# Altium PCB Iris.PcbDoc (part 10 of 13) (continued)
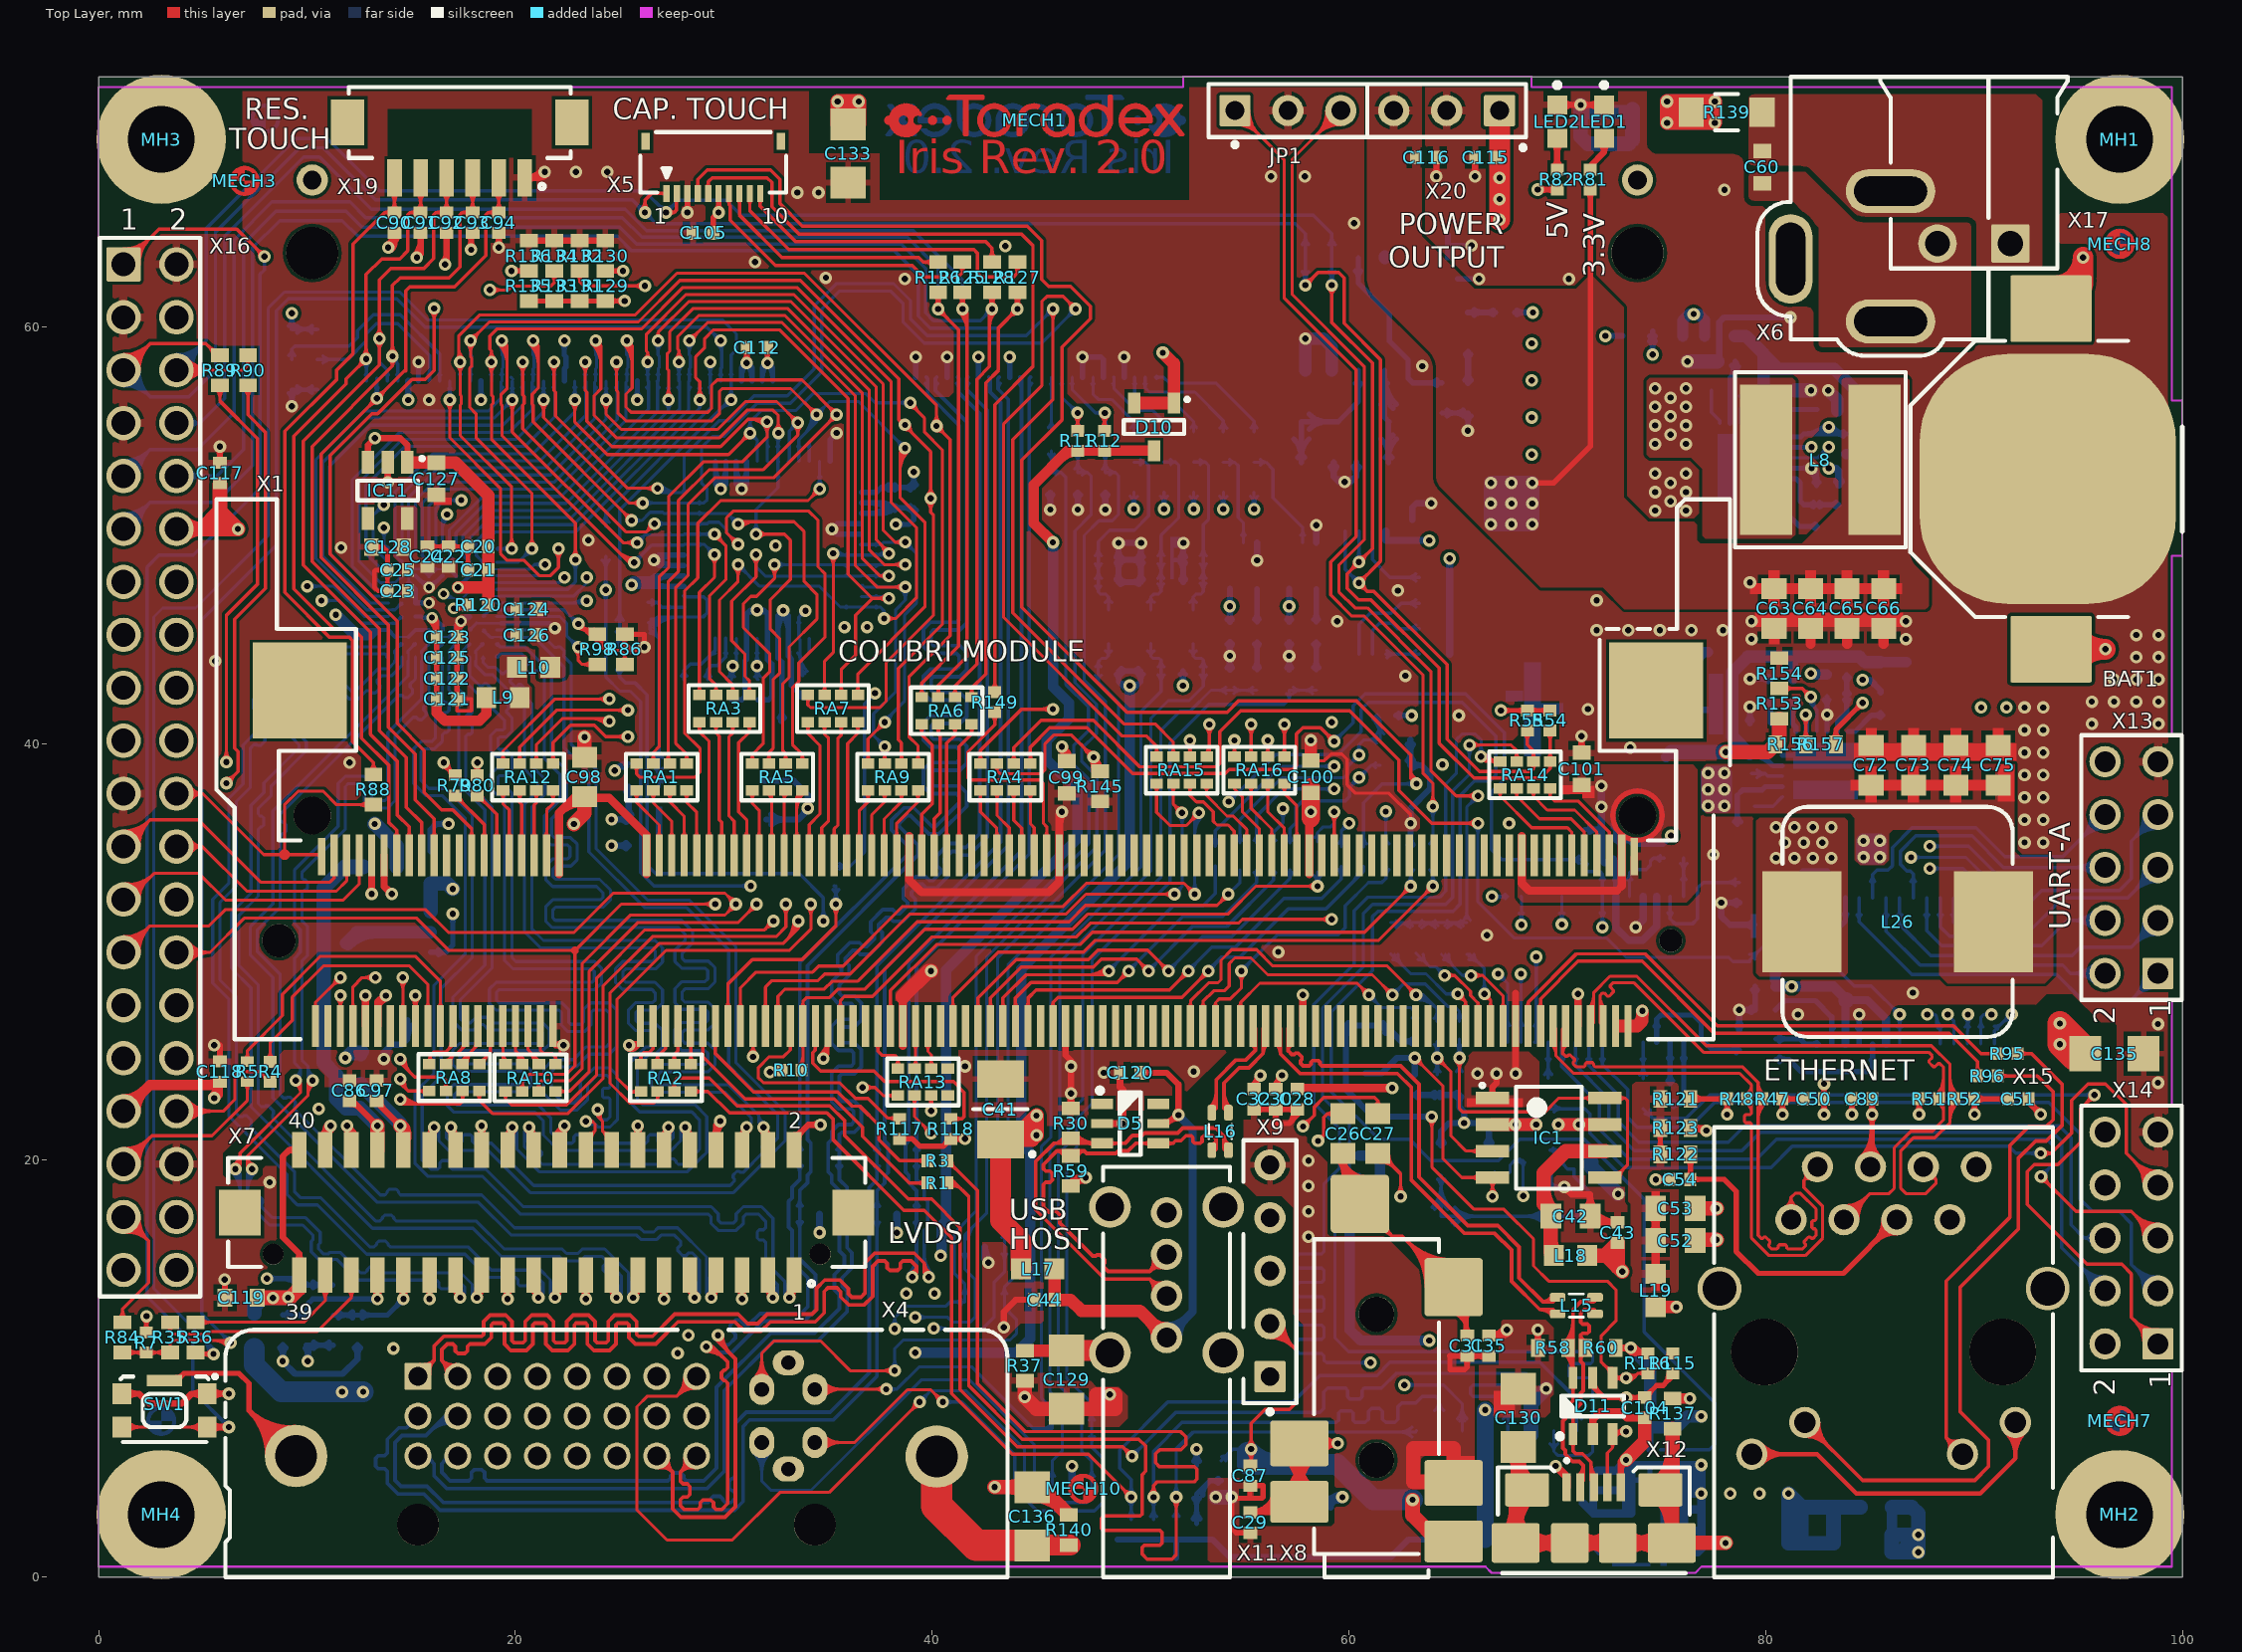
[diagram p0: Top Layer view]
## Nets (pads, with @x,y where several pads share a name; then routed paths per layer and width w, separated by ;. In a path a pad name is that pad's centre, name@x,y a point inside that pad or via, vN(x,y) a via of type N, cw(c..) or ccw(c..) an arc to the next point about the centre after c; other vN are vias at no path point) (continued)
  MidLayer2 w0.152: 10.109,25.121 10.109,32.563 12.114,34.568 26.541,34.568 27.685,35.712 38.558,35.712 40.62,33.649 47.097,33.649 48.539,32.207 57.795,32.207 60.36,29.642 65.862,29.642 66.497,29.007 66.497,28.804 67.367,27.934 70.022,27.934 70.815,28.727 79.908,28.727 84.531,33.35 86.004,33.35 86.258,33.604 86.258,34.874 86.459,35.075 v1(87.882,35.075) ; v1@87.723,34.917 ccw(c87.341,34.535) 87.341,35.075 ccw(c87.341,35.615) v1@87.723,35.233
  MidLayer2 w0.165: 10.109,25.121 12.3,22.93 v1(14.478,22.93) ; v1@14.324,22.776 ccw(c13.953,22.405) 13.953,22.93 ccw(c13.953,23.455) v1@14.324,23.084
  Bottom Layer w0.152: v1(87.882,35.075) 89.741,35.075 90.985,33.831 IC4.14@90.985,32.59 ; v1@88.04,34.917 cw(c88.422,34.535) 88.422,35.075 cw(c88.422,35.615) v1@88.04,35.233 ; IC4.14@90.88,33.395 ccw(c90.626,33.649) 90.985,33.649 ccw(c91.344,33.649) IC4.14@91.09,33.395
UART_A_RTS_S: RA8.2 X1.27 | length 3.7
  Top Layer w0.152: RA8.2@17.463,24.627 17.463,24.803 18.2,25.541 X1.27@18.2,26.446 ; RA8.2@17.534,24.627 cw(c18.132,24.627) 17.709,25.05 ; RA8.2@17.686,24.627 cw(c18.653,24.627) 17.969,25.31 ; 17.974,25.315 ccw(c17.669,25.621) X1.27@18.101,25.621
UART_A_RXD: IC4.16 RA10.7 X16.28 | length 117.9
  Top Layer w0.152: X16.28@3.731,29.98 5.342,29.98 ; X16.28@4.07,29.694 cw(c4.686,29.174) 4.686,29.98 cw(c4.686,30.785) X16.28@4.07,30.266 ; X16.28@4.187,29.596 cw(c5.014,28.898) 5.014,29.98 cw(c5.014,31.062) X16.28@4.187,30.364 ; X16.28@4.303,29.497 cw(c5.342,28.621) 5.342,29.98 ; X16.28@4.303,30.463 ccw(c5.342,31.338) 5.342,29.98 ; RA10.7@20.203,23.435 ccw(c19.906,23.732) 20.326,23.732 ccw(c20.745,23.732) RA10.7@20.448,23.435 ; RA10.7@20.326,23.313 20.326,23.805 20.65,24.13 22.454,24.13 22.86,24.536 22.86,30.073 ; v1@29.426,32.14 ccw(c29.044,31.758) 29.044,32.298 ccw(c29.044,32.838) v1@29.426,32.456 ; v1(29.584,32.298) 25.084,32.298 22.86,30.073 ; 5.342,29.98 6.985,31.623 15.258,31.623 16.808,30.073 22.86,30.073
  Top Layer w0.254: 22.916,30.073 ccw(c22.86,30.073) 22.916,30.073
  MidLayer2 w0.152: v1@29.426,32.42 ccw(c29.044,32.802) 29.584,32.802 ccw(c30.124,32.802) v1@29.742,32.42 ; v1@29.584,32.261 29.584,33.561 30.654,34.631 37.454,34.631 39.948,32.137 46.115,32.137 47.016,31.236 57.156,31.236 60.325,28.067 60.325,27.789 61.673,26.441 82.271,26.441 84.887,29.058 89.433,29.058 90.843,27.648 v1(90.843,26.999) ; v1@90.685,27.157 ccw(c90.303,27.539) 90.843,27.539 ccw(c91.383,27.539) v1@91.001,27.157
  Bottom Layer w0.152: IC4.16@90.23,26.395 ccw(c89.976,26.649) 90.335,26.649 ccw(c90.694,26.649) IC4.16@90.44,26.395 ; IC4.16@90.335,25.59 90.335,26.86 90.474,26.999 ; v1@90.645,26.896 ccw(c90.474,26.806) 90.474,26.999 ; v1@90.645,27.103 cw(c90.474,27.192) 90.474,26.999 ; v1(90.843,26.999) 90.474,26.999
UART_A_RXD_S: RA10.3 X1.33 | length 4.3
  Top Layer w0.152: X1.33@19.93,25.551 cw(c19.761,25.382) 20,25.382 cw(c20.239,25.382) X1.33@20.07,25.551 ; X1.33@20,26.446 20,25.263 ; RA10.3@20.115,24.68 ccw(c19.622,24.885) 20,25.263 ; 20.161,25.102 cw(c19.849,24.791) RA10.3@20.256,24.621 ; RA10.3@20.229,24.757 ccw(c20.109,24.937) 20.326,24.937 ; 20.322,24.941 cw(c20.076,24.696) RA10.3@20.396,24.562 ; RA10.3@20.326,24.613 20.326,24.937 ; RA10.3@20.422,24.757 cw(c20.542,24.937) 20.326,24.937 ; 20,25.263 20.326,24.937
UART_A_TXD: IC4.13 RA10.6 X16.27 | length 145.5
  Top Layer w0.152: X16.27@1.191,29.98 2.463,31.252 ; X16.27@1.193,30.424 ccw(c1.196,31.483) 1.945,30.734 ccw(c2.694,29.985) X16.27@1.635,29.982 ; X16.27@1.193,30.576 ccw(c1.198,31.999) 2.204,30.993 ccw(c3.21,29.987) X16.27@1.787,29.982 ; X16.27@1.194,30.729 ccw(c1.2,32.515) 2.463,31.252 ; X16.27@1.94,29.983 cw(c3.726,29.989) 2.463,31.252 ; RA10.6@21.012,23.444 ccw(c20.801,23.691) 21.126,23.691 ; RA10.6@21.126,23.313 21.126,23.691 ; RA10.6@21.239,23.444 cw(c21.451,23.691) 21.126,23.691 ; v1@30.581,32.074 ccw(c30.581,31.534) 30.199,31.916 ccw(c29.817,32.298) 30.357,32.298 ccw(c29.817,32.298) 30.199,32.68 ccw(c30.581,33.062) v1@30.581,32.522 ; 2.463,31.252 5.293,31.252 6.071,32.029 15.697,32.029 16.789,30.937 22.809,30.937 24.696,32.824 30.055,32.824 v1(30.581,32.298) 30.055,31.772 29.366,31.772 29.362,31.775 25.527,31.775 23.2,29.449 23.2,24.395 22.631,23.825 21.26,23.825 21.126,23.691
  MidLayer2 w0.152: v1@30.423,32.42 ccw(c30.041,32.802) 30.581,32.802 ccw(c31.121,32.802) v1@30.739,32.42 ; v1@30.581,32.261 30.581,33.502 31.35,34.271 37.078,34.271 39.716,31.633 45.89,31.633 46.611,30.912 57.021,30.912 59.849,28.085 59.849,27.592 61.482,25.959 82.55,25.959 85.192,28.6 89.129,28.6 90.272,27.457 90.272,26.67 90.551,26.391 92.075,26.391 92.38,26.695 92.38,27.661 88.57,31.471 88.57,34.112 88.14,34.542 v1(86.982,34.542) ; v1@87.14,34.383 cw(c87.522,34.001) 87.522,34.542 cw(c87.522,35.082) v1@87.14,34.7
  Bottom Layer w0.152: v1(86.982,34.542) 89.614,34.542 90.335,33.82 IC4.13@90.335,32.59 ; v1@87.14,34.383 cw(c87.522,34.001) 87.522,34.542 cw(c87.522,35.082) v1@87.14,34.7 ; IC4.13@90.23,33.395 ccw(c89.976,33.649) 90.335,33.649 ccw(c90.694,33.649) IC4.13@90.44,33.395
UART_A_TXD_S: RA10.2 X1.35 | length 3.7
  Top Layer w0.152: X1.35@20.53,25.551 cw(c20.361,25.382) 20.6,25.382 cw(c20.839,25.382) X1.35@20.67,25.551 ; X1.35@20.6,26.446 20.6,25.323 21.126,24.798 RA10.2@21.126,24.613 ; 20.613,25.31 cw(c19.915,24.613) RA10.2@20.902,24.613 ; 20.873,25.05 cw(c20.435,24.613) RA10.2@21.054,24.613
UART_B_CTS: IC6.15 RA12.5 X16.29 | length 99.5
  Top Layer w0.152: RA12.5@19.283,39.169 ccw(c18.987,39.466) 19.406,39.466 ccw(c19.826,39.466) RA12.5@19.529,39.169 ; RA12.5@19.406,39.046 19.406,39.65 21.895,42.139 v1(24.511,42.139) ; v1@24.353,41.98 ccw(c23.971,41.598) 23.971,42.139 ccw(c23.971,42.679) v1@24.353,42.297
  MidLayer1 w0.152: v1@66.853,32.648 66.86,32.655 v1(66.86,32.657)
  MidLayer2 w0.152: X16.29@1.191,27.44 2.461,28.71 ; X16.29@1.193,27.884 ccw(c1.198,28.939) 1.944,28.193 ccw(c2.69,27.447) X16.29@1.635,27.442 ; X16.29@1.194,28.036 ccw(c1.2,29.454) 2.202,28.451 ccw(c3.205,27.449) X16.29@1.787,27.443 ; X16.29@1.194,28.189 ccw(c1.203,29.968) 2.461,28.71 ; X16.29@1.94,27.443 cw(c3.719,27.452) 2.461,28.71 ; v1@24.353,41.98 ccw(c23.971,41.598) 23.971,42.139 ccw(c23.971,42.679) v1@24.353,42.297 ; v1@24.669,41.98 cw(c25.051,41.598) 25.051,42.139 cw(c25.051,42.679) v1@24.669,42.297 ; v1@66.636,32.657 ccw(c66.096,32.657) 66.478,33.039 ccw(c66.86,33.421) v1@66.86,32.881 ; v1(66.86,32.657) 63.906,35.611 50.622,35.611 48.498,37.735 41.843,37.735 41.346,38.232 36.491,38.232 35.154,39.57 28.375,39.57 25.806,42.139 11.455,42.139 5.105,35.789 5.105,28.931 4.885,28.71 2.461,28.71
  Bottom Layer w0.152: v1(66.86,32.657) 66.952,32.657 66.961,32.648 66.961,32.644 66.965,32.64 67.59,32.64 IC6.15@67.62,32.67 IC6.15@67.589,32.701 ; v1@67.018,32.499 cw(c67.359,32.158) 67.359,32.64 ; v1@67.018,32.815 ccw(c67.441,33.238) IC6.15@67.441,32.64 ; 67.188,32.64 ccw(c67.188,33.102) IC6.15@67.515,32.775 ; 67.333,32.64 cw(c67.333,32.383) IC6.15@67.515,32.565
UART_B_CTS_S: RA12.1 X1.32 | length 4.3
  Top Layer w0.152: RA12.1@19.283,37.623 cw(c18.987,37.326) 19.406,37.326 cw(c19.826,37.326) RA12.1@19.529,37.623 ; RA12.1@19.406,37.746 19.406,37.109 19.7,36.815 X1.32@19.7,34.646 ; X1.32@19.63,35.592 ccw(c19.461,35.76) 19.7,35.76 ccw(c19.939,35.76) X1.32@19.77,35.592
UART_B_RTS: IC6.14 RA12.6 X16.30 | length 107.5
  Top Layer w0.152: RA12.6@20.083,39.169 ccw(c19.787,39.466) 20.206,39.466 ccw(c20.626,39.466) RA12.6@20.329,39.169 ; RA12.6@20.206,39.046 20.206,39.84 21.971,41.605 v1(25.4,41.605) ; RA12.6@20.206,39.148 RA12.6@20.27,39.212 ; v1@25.242,41.447 ccw(c24.86,41.065) 24.86,41.605 ccw(c24.86,42.145) v1@25.242,41.763
  MidLayer2 w0.152: X16.30@3.731,27.44 4.859,27.44 ; X16.30@4.281,27.208 cw(c4.63,27.061) 4.63,27.44 cw(c4.63,27.819) X16.30@4.281,27.672 ; X16.30@4.421,27.149 cw(c4.859,26.964) 4.859,27.44 ; X16.30@4.421,27.731 ccw(c4.859,27.916) 4.859,27.44 ; v1@25.242,41.447 ccw(c24.86,41.065) 24.86,41.605 ccw(c24.86,42.145) v1@25.242,41.763 ; v1@25.4,41.381 cw(c25.4,40.534) 25.999,41.133 ; v1@25.4,41.534 cw(c25.4,41.055) 25.739,41.394 ; v1@25.624,41.605 ccw(c25.858,41.605) 25.692,41.44 ; v1@67.163,28.728 cw(c67.163,28.188) 67.545,28.57 cw(c67.927,28.952) v1@67.387,28.952 ; v1(67.163,28.952) 67.695,28.419 69.694,28.419 71.456,30.181 71.456,31.947 70.866,32.537 68.428,32.537 67.996,32.106 66.599,32.106 63.47,35.234 50.237,35.234 48.211,37.26 41.429,37.26 40.817,37.872 36.277,37.872 34.995,39.154 27.978,39.154 25.527,41.605 v1(25.4,41.605) 11.497,41.605 5.512,35.62 5.512,28.092 4.859,27.44
  Bottom Layer w0.152: v1@67.163,28.728 cw(c67.163,28.188) 67.545,28.57 cw(c67.927,28.952) v1@67.387,28.952 ; v1(67.163,28.952) 67.62,28.495 IC6.14@67.62,25.67 ; IC6.14@67.515,26.475 ccw(c67.261,26.729) 67.62,26.729 ccw(c67.979,26.729) IC6.14@67.725,26.475
UART_B_RTS_S: RA12.2 X1.34 | length 4.2
  Top Layer w0.152: RA12.2@20.083,37.623 cw(c19.787,37.326) 20.206,37.326 cw(c20.626,37.326) RA12.2@20.329,37.623 ; RA12.2@20.206,37.746 20.206,37.172 20.3,37.079 X1.34@20.3,34.646 ; X1.34@20.23,35.592 ccw(c20.061,35.76) 20.3,35.76 ccw(c20.539,35.76) X1.34@20.37,35.592
UART_B_RXD: IC6.16 RA12.7 X16.31 | length 103.8
  Top Layer w0.152: RA12.7@20.883,39.169 ccw(c20.587,39.466) 21.006,39.466 ccw(c21.426,39.466) RA12.7@21.129,39.169 ; RA12.7@20.962,39.192 RA12.7@21.006,39.148 ; RA12.7@21.006,39.046 21.006,39.955 22.254,41.202 24.384,41.202 v1(24.511,41.075) ; 23.664,41.202 cw(c23.664,40.228) v1@24.353,40.917 ; 24.032,41.202 cw(c24.032,40.596) v1@24.461,41.024
  MidLayer2 w0.152: X16.31@1.191,24.9 2.461,26.17 ; X16.31@1.193,25.344 ccw(c1.198,26.399) 1.944,25.653 ccw(c2.69,24.907) X16.31@1.635,24.902 ; X16.31@1.194,25.496 ccw(c1.2,26.914) 2.202,25.911 ccw(c3.205,24.909) X16.31@1.787,24.903 ; X16.31@1.194,25.649 ccw(c1.203,27.428) 2.461,26.17 ; X16.31@1.94,24.903 cw(c3.719,24.912) 2.461,26.17 ; v1@68.126,31.152 ccw(c67.744,30.77) 67.744,31.31 ccw(c67.744,31.85) v1@68.126,31.468 ; v1(68.284,31.31) 67.699,31.31 67.285,31.725 66.269,31.725 63.136,34.857 49.75,34.857 48.438,36.17 41.758,36.17 40.415,37.512 35.919,37.512 34.693,38.738 27.759,38.738 25.422,41.075 v1(24.511,41.075) 11.541,41.075 5.918,35.452 5.918,27.203 4.885,26.17 2.461,26.17 ; 23.971,41.075 cw(c23.971,40.535) 24.353,40.917 ccw(c23.971,40.535) 23.971,41.075 ; 23.971,41.075 ccw(c23.971,41.615) 24.353,41.233 cw(c23.971,41.615) 23.971,41.075 ; 25.051,41.075 ccw(c25.051,40.535) 24.669,40.917 cw(c25.051,40.535) 25.051,41.075 ; 25.051,41.075 cw(c25.051,41.615) 24.669,41.233 ccw(c25.051,41.615) 25.051,41.075
  Bottom Layer w0.152: v1@68.126,31.468 ccw(c67.751,31.843) IC6.16@68.281,31.843 ; IC6.16@68.165,31.865 cw(c67.884,31.584) v1@68.281,31.584 ; v1@68.186,31.511 ccw(c68.127,31.634) 68.258,31.669 ccw(c68.504,31.735) v1@68.387,31.509 ; IC6.16@68.27,32.67 68.281,32.659 v1@68.281,31.31 ; 68.281,31.637 cw(c68.603,31.637) IC6.16@68.375,31.865 ; IC6.16@68.281,31.858 ccw(c68.832,31.858) v1@68.442,31.468
UART_B_RXD_S: RA12.3 X1.36 | length 4.2
  Top Layer w0.152: X1.36@20.83,35.592 ccw(c20.661,35.76) 20.9,35.76 ccw(c21.139,35.76) X1.36@20.97,35.592 ; RA12.3@20.883,37.623 cw(c20.587,37.326) 21.006,37.326 cw(c21.426,37.326) RA12.3@21.129,37.623 ; X1.36@20.9,34.646 20.9,37.054 21.006,37.161 RA12.3@21.006,37.746
UART_B_TXD: IC6.13 RA12.8 X16.32 | length 110
  Top Layer w0.152: RA12.8@21.683,39.169 ccw(c21.387,39.466) 21.806,39.466 ccw(c22.226,39.466) RA12.8@21.929,39.169 ; RA12.8@21.806,39.046 21.806,40.043 22.646,40.883 23.785,40.883 24.333,40.335 v1(25.4,40.335) ; v1@25.242,40.177 ccw(c24.86,39.795) 24.86,40.335 ccw(c24.86,40.875) v1@25.242,40.493
  MidLayer2 w0.152: X16.32@3.731,24.9 5.85,24.9 6.325,25.375 6.325,35.284 11.638,40.597 21.303,40.597 22.174,39.726 23.546,39.726 24.155,40.335 v1(25.4,40.335) 27.413,38.322 34.534,38.322 35.705,37.152 39.988,37.152 41.474,35.665 47.995,35.665 48.155,35.665 49.34,34.48 60.312,34.48 63.043,31.75 65.456,31.75 65.862,31.344 66.904,31.344 67.513,30.734 68.656,30.734 69.927,32.005 70.645,32.005 70.924,31.727 70.924,30.478 69.398,28.952 v1(68.259,28.952) ; X16.32@4.045,24.586 cw(c4.803,23.828) 4.803,24.9 cw(c4.803,25.972) X16.32@4.045,25.214 ; X16.32@4.153,24.478 cw(c5.171,23.46) 5.171,24.9 cw(c5.171,26.34) X16.32@4.153,25.322 ; X16.32@4.26,24.371 cw(c5.539,23.092) 5.539,24.9 cw(c5.539,26.708) X16.32@4.26,25.429 ; v1@25.242,40.177 ccw(c24.86,39.795) 24.86,40.335 ccw(c24.86,40.875) v1@25.242,40.493 ; v1@25.4,40.111 cw(c25.4,39.571) 25.782,39.953 cw(c26.164,40.335) v1@25.624,40.335 ; v1@68.417,28.794 cw(c68.799,28.412) 68.799,28.952 cw(c68.799,29.492) v1@68.417,29.11
  Bottom Layer w0.152: v1@68.101,28.794 cw(c67.719,28.412) 68.259,28.412 cw(c68.799,28.412) v1@68.417,28.794 ; IC6.13@68.165,26.475 ccw(c67.937,26.703) 68.259,26.703 ; 68.259,26.756 ccw(c68.656,26.756) IC6.13@68.375,26.475 ; v1(68.259,28.952) 68.259,25.681 IC6.13@68.27,25.67
UART_B_TXD_S: RA12.4 X1.38 | length 4.3
  Top Layer w0.152: X1.38@21.43,35.592 ccw(c21.261,35.76) 21.5,35.76 ccw(c21.739,35.76) X1.38@21.57,35.592 ; X1.38@21.5,34.646 21.5,36.816 21.806,37.122 RA12.4@21.806,37.746 ; RA12.4@21.683,37.623 cw(c21.387,37.326) 21.806,37.326 cw(c22.226,37.326) RA12.4@21.929,37.623
UART_C_RXD: IC6.19 R4.2 X16.34 | length 111.1
  Top Layer w0.152: X16.34@3.731,22.36 5.977,22.36 6.528,22.911 6.528,24.079 6.706,24.257 7.47,24.257 ; X16.34@4.045,22.046 cw(c4.803,21.288) 4.803,22.36 cw(c4.803,23.432) X16.34@4.045,22.674 ; X16.34@4.153,21.938 cw(c5.171,20.92) 5.171,22.36 cw(c5.171,23.8) X16.34@4.153,22.782 ; X16.34@4.26,21.831 cw(c5.539,20.552) 5.539,22.36 cw(c5.539,24.168) X16.34@4.26,22.889 ; 7.496,24.257 7.75,24.257 R4.2@8.23,23.777 ; 7.83,24.176 cw(c7.431,23.777) R4.2@7.996,23.777 ; 7.891,24.116 ccw(c8.205,24.43) R4.2@8.205,23.986
  MidLayer1 w0.152: X16.34@3.731,22.36 X16.34@3.797,22.426
  MidLayer2 w0.152: X16.34@3.731,22.36 6.031,22.36 6.782,23.111 6.782,35.103 11.869,40.19 20.135,40.19 21.387,38.938 23.444,38.938 24.282,39.776 25.248,39.776 27.118,37.906 34.29,37.906 35.404,36.792 39.586,36.792 41.216,35.161 47.782,35.161 47.93,35.161 48.987,34.104 59.851,34.104 63.068,30.886 65.761,30.886 66.421,30.226 67.666,30.226 67.793,30.353 69.255,30.353 v1(70.223,31.321) ; X16.34@4.045,22.046 cw(c4.803,21.288) 4.803,22.36 cw(c4.803,23.432) X16.34@4.045,22.674 ; X16.34@4.153,21.938 cw(c5.171,20.92) 5.171,22.36 cw(c5.171,23.8) X16.34@4.153,22.782 ; X16.34@4.26,21.831 cw(c5.539,20.552) 5.539,22.36 cw(c5.539,24.168) X16.34@4.26,22.889 ; v1@69.999,31.321 cw(c69.459,31.321) 69.841,30.939 cw(c70.223,30.557) v1@70.223,31.097
  Bottom Layer w0.152: v1@70.065,31.479 ccw(c69.69,31.854) IC6.19@70.22,31.854 ; IC6.19@70.115,31.865 cw(c69.861,31.611) 70.22,31.611 cw(c70.579,31.611) IC6.19@70.325,31.865 ; v1@70.12,31.52 ccw(c70.018,31.718) 70.233,31.66 ccw(c70.337,31.632) v1@70.3,31.531 ; v1@70.135,31.527 ccw(c70.087,31.638) 70.204,31.67 ccw(c70.433,31.731) v1@70.325,31.52 ; v1@70.22,31.321 IC6.19@70.22,32.67 ; IC6.19@70.22,31.869 ccw(c70.771,31.869) v1@70.381,31.479
UART_C_RXD_S: R4.1 X1.19 | length 14.2
  Top Layer w0.152: R4.1@8.082,24.885 ccw(c7.726,25.241) 8.23,25.241 ccw(c8.734,25.241) R4.1@8.377,24.885 ; R4.1@8.23,24.737 8.23,25.654 9.296,26.721 9.296,27.838 10.795,29.337 14.91,29.337 15.798,28.449 X1.19@15.798,26.448 ; X1.19@15.73,27.392 ccw(c15.566,27.555) 15.798,27.555 ; 15.798,27.565 ccw(c16.043,27.565) X1.19@15.87,27.392
UART_C_TXD: IC6.12 R5.2 X16.35 | length 114.9
  Top Layer w0.152: X16.35@1.191,19.82 2.555,21.184 5.436,21.184 7.137,22.885 R5.2@7.137,23.777 ; X16.35@1.191,20.264 ccw(c1.191,21.336) 1.949,20.578 ccw(c2.707,19.82) X16.35@1.635,19.82 ; X16.35@1.191,20.416 ccw(c1.191,21.856) 2.209,20.838 ccw(c3.227,19.82) X16.35@1.787,19.82 ; X16.35@1.191,20.569 ccw(c1.191,22.377) 2.469,21.098 ccw(c3.748,19.82) X16.35@1.94,19.82 ; R5.2@7.015,23.654 cw(c6.718,23.357) 7.137,23.357 cw(c7.557,23.357) R5.2@7.26,23.654
  MidLayer2 w0.152: X16.35@1.191,19.82 2.461,21.09 ; X16.35@1.193,20.264 ccw(c1.198,21.319) 1.944,20.573 ccw(c2.69,19.827) X16.35@1.635,19.822 ; X16.35@1.194,20.416 ccw(c1.2,21.834) 2.202,20.831 ccw(c3.205,19.829) X16.35@1.787,19.823 ; X16.35@1.194,20.569 ccw(c1.203,22.348) 2.461,21.09 ; X16.35@1.94,19.823 cw(c3.719,19.832) 2.461,21.09 ; v1@68.838,29.607 ccw(c68.456,29.225) 68.456,29.765 ccw(c68.456,30.305) v1@68.838,29.923 ; v1(68.996,29.765) 66.298,29.765 65.786,30.277 62.789,30.277 59.339,33.727 48.635,33.727 47.705,34.657 47.568,34.657 41.009,34.657 39.235,36.432 35.282,36.432 34.223,37.49 26.873,37.49 25.095,39.268 24.451,39.268 23.308,38.125 20.523,38.125 18.948,39.7 15.205,39.7 7.188,31.683 7.188,22.809 5.469,21.09 2.461,21.09
  Bottom Layer w0.152: v1@68.838,29.607 cw(c68.456,29.225) 68.996,29.225 cw(c69.536,29.225) v1@69.154,29.607 ; IC6.12@68.891,26.45 ccw(c68.637,26.704) 68.996,26.704 ccw(c69.355,26.704) IC6.12@69.064,26.493 ; IC6.12@68.92,25.67 IC6.12@68.94,25.69 ; IC6.12@68.996,25.67 v1(68.996,29.765)
UART_C_TXD_S: R5.1 X1.21 | length 16
  Top Layer w0.152: R5.1@7.015,24.86 ccw(c6.718,25.157) 7.137,25.157 ccw(c7.557,25.157) R5.1@7.26,24.86 ; R5.1@7.137,24.737 7.137,25.273 8.814,26.949 8.814,27.965 10.643,29.794 15.189,29.794 16.4,28.583 X1.21@16.4,26.446 X1.21@16.384,26.43 ; X1.21@16.33,27.392 ccw(c16.161,27.56) 16.4,27.56 ccw(c16.639,27.56) X1.21@16.47,27.392
USB_C_DET: D11.4 D12.1 D12.2 R8.2 R115.2 R116.1 | length 47.5
  Top Layer w0.152: v1@63.824,21.94 cw(c63.442,21.558) 63.983,21.558 cw(c64.523,21.558) v1@64.141,21.94 ; v1(63.983,22.098) 63.983,19.685 66.015,17.653 67.437,17.653 68.859,16.231 68.859,14.935 69.596,14.199 72.415,14.199 72.822,13.792 72.822,12.294 72.111,11.582 72.111,10.312 D11.4@72.658,9.765 ; 72.243,10.18 ccw(c72.658,10.594) D11.4@72.658,10.008 ; D11.4@72.41,10.013 cw(c72.231,9.834) D11.4@72.484,9.834 ; D11.4@72.658,9.559 v1(73.304,9.559) 73.669,9.559 ; D11.4@72.781,9.436 cw(c73.077,9.14) 73.077,9.559 cw(c73.077,9.979) D11.4@72.781,9.682 ; v1@73.098,9.474 ccw(c72.915,9.398) 72.966,9.589 ccw(c72.996,9.701) v1@73.101,9.653 ; v1@73.098,9.645 cw(c72.915,9.721) 72.966,9.529 cw(c72.996,9.418) v1@73.101,9.466 ; v1@73.146,9.401 ccw(c72.764,9.019) 72.764,9.559 ccw(c72.764,10.1) v1@73.146,9.718 ; R116.1@74.371,9.99 ccw(c74.371,10.686) 74.862,10.194 ; R116.1@74.58,9.782 cw(c74.892,9.782) 74.671,10.003 ; 74.98,10.311 cw(c75.515,9.776) R115.2@75.515,10.533 ; R115.2@75.232,10.564 ccw(c75.054,10.742) R115.2@75.306,10.742 ; R115.2@75.24,10.571 cw(c75.515,10.297) R115.2@75.515,10.685 ; R115.2@75.54,10.742 75.41,10.742 74.45,9.782 73.891,9.782 ; 73.669,9.559 cw(c73.669,9.744) 73.504,9.66 ccw(c73.669,9.744) 73.669,9.559 ; 73.669,9.559 ccw(c73.669,9.374) 73.504,9.458 cw(c73.669,9.374) 73.669,9.559 ; 73.669,9.559 73.891,9.782 ; 73.891,9.782 cw(c73.891,9.444) 74.157,9.653 ccw(c73.891,9.444) 73.891,9.782 ; 73.891,9.782 ccw(c73.891,10.119) 74.157,9.911 cw(c73.891,10.119) 73.891,9.782 ; 73.891,9.782 cw(c73.639,10.034) 73.433,9.742 ccw(c73.639,10.034) 73.891,9.782 ; v1@73.258,9.493 ccw(c73.427,9.733) 73.635,9.526 cw(c73.427,9.733) v1@73.258,9.493 ; v1@73.346,9.618 ccw(c73.533,9.884) 73.763,9.654 cw(c73.533,9.884) v1@73.346,9.618
  Bottom Layer w0.3: D12.1@59.752,26.168 cw(c59.495,25.912) 59.858,25.912 cw(c60.22,25.912) D12.1@59.964,26.168 ; D12.1@59.964,26.368 cw(c60.22,26.112) 60.22,26.474 cw(c60.22,26.836) D12.1@59.964,26.58 ; D12.2@61.652,26.368 ccw(c61.395,26.112) 61.395,26.474 ccw(c61.395,26.836) D12.2@61.652,26.58 ; D12.2@61.758,26.124 cw(c61.758,25.279) 62.355,25.876 ; R8.2@63.049,25.612 ccw(c62.819,25.381) 62.819,25.707 ccw(c62.819,26.033) R8.2@63.049,25.803 ; R8.2@63.17,25.707 62.524,25.707 D12.2@61.758,26.474 D12.1@59.858,26.474 59.858,23.404 61.163,22.098 v1(63.983,22.098) ; v1@63.877,21.992 ccw(c63.62,21.736) 63.62,22.098 ccw(c63.62,22.46) v1@63.877,22.204
USB_C_DET_S: R8.1 X1.137 | length 13.7
  Top Layer w0.152: X1.137@54.73,27.392 ccw(c54.561,27.56) 54.8,27.56 ccw(c55.039,27.56) X1.137@54.87,27.392 ; X1.137@54.8,26.446 54.8,27.571 55.728,28.499 60.396,28.499 v1(60.959,27.936) ; v1@60.735,27.936 ccw(c60.195,27.936) 60.577,28.318 ccw(c60.959,28.7) v1@60.959,28.16
  Bottom Layer w0.15: v1@60.959,27.711 cw(c60.959,27.168) 61.343,27.552 cw(c61.727,27.936) v1@61.184,27.936 ; v1(60.959,27.936) 61.565,27.33 62.967,27.33 63.17,27.127 ; R8.1@63.032,26.826 ccw(c62.771,27.127) 63.17,27.127 ; R8.1@63.17,26.667 63.17,27.127 ; R8.1@63.307,26.826 cw(c63.568,27.127) 63.17,27.127
USB_CLIENT_N: D11.6 L15.2 R58.2 X12.2 | length 17.8
  Top Layer w0.18: R58.2@70.357,10.732 cw(c69.388,9.764) D11.6@70.758,9.764 ; R58.2@70.357,11.264 ccw(c69.388,12.233) 70.758,12.233 ; R58.2@70.484,10.859 cw(c69.823,10.198) 70.758,10.198 ; R58.2@70.484,11.137 ccw(c69.823,11.798) 70.758,11.798 ; R58.2@70.611,10.987 cw(c70.257,10.633) R58.2@70.758,10.633 ; R58.2@70.611,11.01 ccw(c70.257,11.364) R58.2@70.758,11.364 ; D11.6@70.649,10.008 ccw(c70.494,10.164) 70.71,10.126 ; D11.6@70.673,9.159 cw(c70.468,8.955) 70.758,8.955 cw(c71.048,8.955) D11.6@70.843,9.159 ; D11.6@70.696,9.91 ccw(c70.488,10.03) 70.719,10.092 ; 70.758,10.164 ccw(c71.048,10.164) D11.6@70.843,9.959 ; X12.2@71.031,4.871 ccw(c70.58,5.36) 71.246,5.36 ; X12.2@71.106,4.49 71.246,4.63 71.246,5.36 ; X12.2@71.153,4.739 ccw(c70.959,4.95) X12.2@71.246,4.95 ; 71.413,13.215 ccw(c71.413,13.538) L15.2@71.708,13.406 ; L15.2@71.544,13.479 cw(c71.135,13.663) 71.135,13.215 ; 71.692,13.215 ccw(c71.692,13.413) L15.2@71.872,13.332 ; L15.2@71.818,13.43 71.603,13.215 71.135,13.215 ; 71.135,13.215 70.758,12.838 70.758,8.467 70.388,8.097 70.388,7.601 70.268,7.481 70.268,6.2 70.388,6.08 70.388,5.898 70.738,5.548 71.058,5.548 71.246,5.36
USB_CLIENT_P: D11.1 L15.3 R60.2 X12.3 | length 15
  Top Layer w0.18: D11.1@70.673,6.459 cw(c70.468,6.255) 70.758,6.255 cw(c71.048,6.255) D11.1@70.843,6.459 ; D11.1@70.673,7.259 ccw(c70.468,7.464) 70.758,7.464 ccw(c71.048,7.464) D11.1@70.843,7.259 ; 71.128,10.434 cw(c71.5,10.434) R60.2@71.416,10.796 ; 71.128,10.533 cw(c71.447,10.533) R60.2@71.375,10.845 ; R60.2@71.128,11.418 ccw(c71.394,11.418) R60.2@71.368,11.153 ; R60.2@71.386,11.332 cw(c71.413,11.616) 71.128,11.616 ; 71.484,12.845 cw(c71.484,12.616) L15.3@71.713,12.635 ; L15.3@71.534,12.62 ccw(c71.288,12.599) 71.288,12.845 ; X12.3@71.616,4.959 ccw(c71.925,4.959) X12.3@71.706,4.741 ; 71.616,5.394 ccw(c72.36,5.394) X12.3@71.834,4.868 ; 71.68,12.845 cw(c71.68,12.633) L15.3@71.892,12.651 ; X12.3@71.756,4.49 71.616,4.63 71.616,5.514 71.211,5.918 70.891,5.918 70.758,6.052 70.758,7.944 71.128,8.314 71.128,8.817 71.248,8.937 71.248,10.235 71.128,10.355 71.128,11.616 ; L15.3@71.818,12.63 71.603,12.845 71.288,12.845 ; 71.128,11.616 71.215,11.703 71.449,11.703 71.536,11.79 71.536,12.05 71.449,12.137 71.215,12.137 71.128,12.224 71.128,12.685 71.288,12.845
USB_HOST_N: D5.3 L16.2 R30.2 X11.2 | length 29
  Top Layer w0.18: 46.114,20.818 ccw(c46.114,21.25) R30.2@46.509,21.075 ; R30.2@46.344,21.148 cw(c45.837,21.373) 45.837,20.818 ; R30.2@46.671,20.964 ccw(c47.024,21.317) R30.2@47.024,20.818 ; R30.2@46.798,21.091 ccw(c47.458,21.752) 47.458,20.818 ; R30.2@46.925,21.219 ccw(c47.893,22.186) D5.3@47.893,20.818 ; D5.3@47.766,20.705 ccw(c47.493,20.432) 47.493,20.818 ccw(c47.493,21.204) D5.3@47.766,20.931 ; D5.3@48.542,20.705 cw(c48.815,20.432) 48.815,20.818 cw(c48.815,21.204) D5.3@48.542,20.931 ; X11.2@50.614,13.656 ccw(c49.959,13.827) 50.437,14.305 ; X11.2@50.788,13.611 ccw(c50.312,13.735) 50.66,14.083 ccw(c51.007,14.431) X11.2@51.131,13.955 ; X11.2@51.086,14.129 cw(c50.916,14.783) 50.437,14.305 ; X11.2@51.252,13.49 50.437,14.305 ; 54.008,20.615 ccw(c54.207,20.615) L16.2@54.132,20.43 ; 54.008,20.883 ccw(c54.317,20.883) L16.2@54.2,20.596 ; L16.2@54.223,20.487 54.008,20.702 54.008,21.151 ; L16.2@54.268,20.763 cw(c54.427,21.151) 54.008,21.151 ; 45.837,20.818 44.971,19.952 44.971,17.625 48.291,14.305 50.437,14.305 ; 45.837,20.818 D5.3@48.154,20.818 49.25,20.818 49.62,21.188 50.074,21.188 50.194,21.308 51.788,21.308 52.027,21.547 53.612,21.547 54.008,21.151
USB_HOST_P: D5.4 L16.3 R59.2 X11.3 | length 27.3
  Top Layer w0.18: 46.208,20.448 cw(c46.208,20.145) R59.2@46.505,20.202 ; R59.2@46.328,20.168 ccw(c45.99,20.104) 45.99,20.448 ; R59.2@46.814,20.206 cw(c47.087,20.172) 47.087,20.448 ; R59.2@46.992,20.184 cw(c47.291,20.147) 47.291,20.448 ; D5.4@50.466,20.705 ccw(c50.193,20.432) 50.193,20.818 ccw(c50.193,21.204) D5.4@50.466,20.931 ; X11.3@50.614,15.324 cw(c49.959,15.153) 50.437,14.675 ; X11.3@50.788,15.369 cw(c50.312,15.245) 50.66,14.897 cw(c51.007,14.549) X11.3@51.131,15.025 ; X11.3@51.086,14.851 ccw(c50.916,14.197) 50.437,14.675 ; D5.4@51.242,20.705 cw(c51.515,20.432) 51.515,20.818 cw(c51.515,21.204) D5.4@51.242,20.931 ; X11.3@51.252,15.49 50.437,14.675 ; L16.3@53.419,20.772 ccw(c53.411,20.998) 53.638,20.998 ; L16.3@53.423,20.487 53.638,20.702 53.638,20.998 ; L16.3@53.425,20.592 ccw(c53.417,20.812) 53.638,20.812 ; L16.3@53.43,20.412 ccw(c53.423,20.626) 53.638,20.626 ; 45.99,20.448 45.341,19.798 45.341,19.593 45.448,19.486 45.666,19.486 45.773,19.379 45.773,19.058 45.666,18.951 45.448,18.951 45.341,18.844 45.341,17.778 45.377,17.742 45.599,17.52 45.751,17.52 45.796,17.565 45.948,17.565 46.175,17.338 46.175,17.187 46.129,17.141 46.129,16.99 47.704,15.415 47.856,15.415 47.902,15.46 48.053,15.46 48.28,15.233 48.28,15.081 48.235,15.036 48.235,14.884 48.444,14.675 50.437,14.675 ; 45.99,20.448 47.291,20.448 47.411,20.328 48.813,20.328 48.933,20.448 49.403,20.448 49.773,20.818 D5.4@50.854,20.818 51.562,20.818 51.682,20.938 51.941,20.938 52.18,21.177 52.431,21.177 52.518,21.09 52.518,20.905 52.605,20.819 52.865,20.819 52.952,20.905 52.952,21.09 53.039,21.177 53.458,21.177 53.638,20.998
USB_ID: D11.3 D12.3 IC1.4 R61.1 X12.4 | length 42.7
  Top Layer w0.15: v1@63.17,24.692 cw(c63.17,24.149) 63.554,24.533 cw(c63.938,24.917) v1@63.395,24.917 ; v1(63.17,24.917) 64.516,23.571 64.516,20.082 65.421,19.177 IC1.4@66.896,19.177 v1(66.896,18.263) ; IC1.4@66.237,19.018 ccw(c65.853,18.634) 65.853,19.177 ccw(c65.853,19.72) IC1.4@66.237,19.336 ; v1@66.737,18.422 ccw(c66.353,18.806) 66.896,18.806 ccw(c67.439,18.806) v1@67.055,18.422 ; IC1.4@66.737,19.018 cw(c66.353,18.634) 66.896,18.634 cw(c67.439,18.634) IC1.4@67.055,19.018 ; X12.4@72.406,4.49 72.406,5.96 72.658,6.211 ; D11.3@72.677,6.843 cw(c72.983,6.587) 72.983,6.986 ; D11.3@72.792,6.747 cw(c73.304,6.318) v1(73.304,6.986) D11.3@72.785,6.986 ; v1@73.082,7.021 cw(c72.931,7.045) 72.97,6.897 cw(c73.01,6.749) v1@73.129,6.845 ; v1@73.14,6.832 ccw(c72.785,6.499) D11.3@72.785,6.986 ; v1@73.14,7.14 cw(c72.785,7.474) D11.3@72.785,6.986 ; 72.658,6.211 cw(c72.967,6.211) 72.77,6.45 ccw(c72.967,6.211) 72.658,6.211 ; 72.658,6.211 ccw(c72.348,6.211) 72.546,6.45 cw(c72.348,6.211) 72.658,6.211 ; 72.658,6.211 D11.3@72.658,6.859 D11.3@72.785,6.986
  MidLayer2 w0.15: v1@66.896,18.038 cw(c66.896,17.494) 67.28,17.878 cw(c67.664,18.263) v1@67.121,18.263 ; v1(66.896,18.263) 69.817,15.342 73.558,15.342 75.082,13.818 75.082,8.764 v1(73.304,6.986) ; v1@73.304,7.211 ccw(c73.304,7.754) 73.689,7.37 ccw(c74.073,6.986) v1@73.529,6.986
  Bottom Layer w0.3: D12.3@60.808,24.174 61.563,24.174 62.306,24.917 v1(63.17,24.917) R61.1@63.17,24.102 ; v1@63.064,25.023 cw(c62.808,25.28) 62.808,24.917 cw(c62.808,24.555) 63.064,24.811 cw(c62.808,24.555) 63.17,24.555 cw(c63.532,24.555) v1@63.276,24.811